# Altium PCB master.PcbDoc (part 7 of 10)
Units mm, origin at the board's own origin, x right, y up, seen from the top; angles counter-clockwise.
Board outline 160 x 120 mm, 6 copper layers (Top Signal, Top GND, Inner PWR, Inner Signal, Bottom GND, Bottom Signal), stack 1.601 mm thick; 526 components, 435 nets, 2167 pads, 1617 vias.
Unrouted connection lines stored in the file: 3.
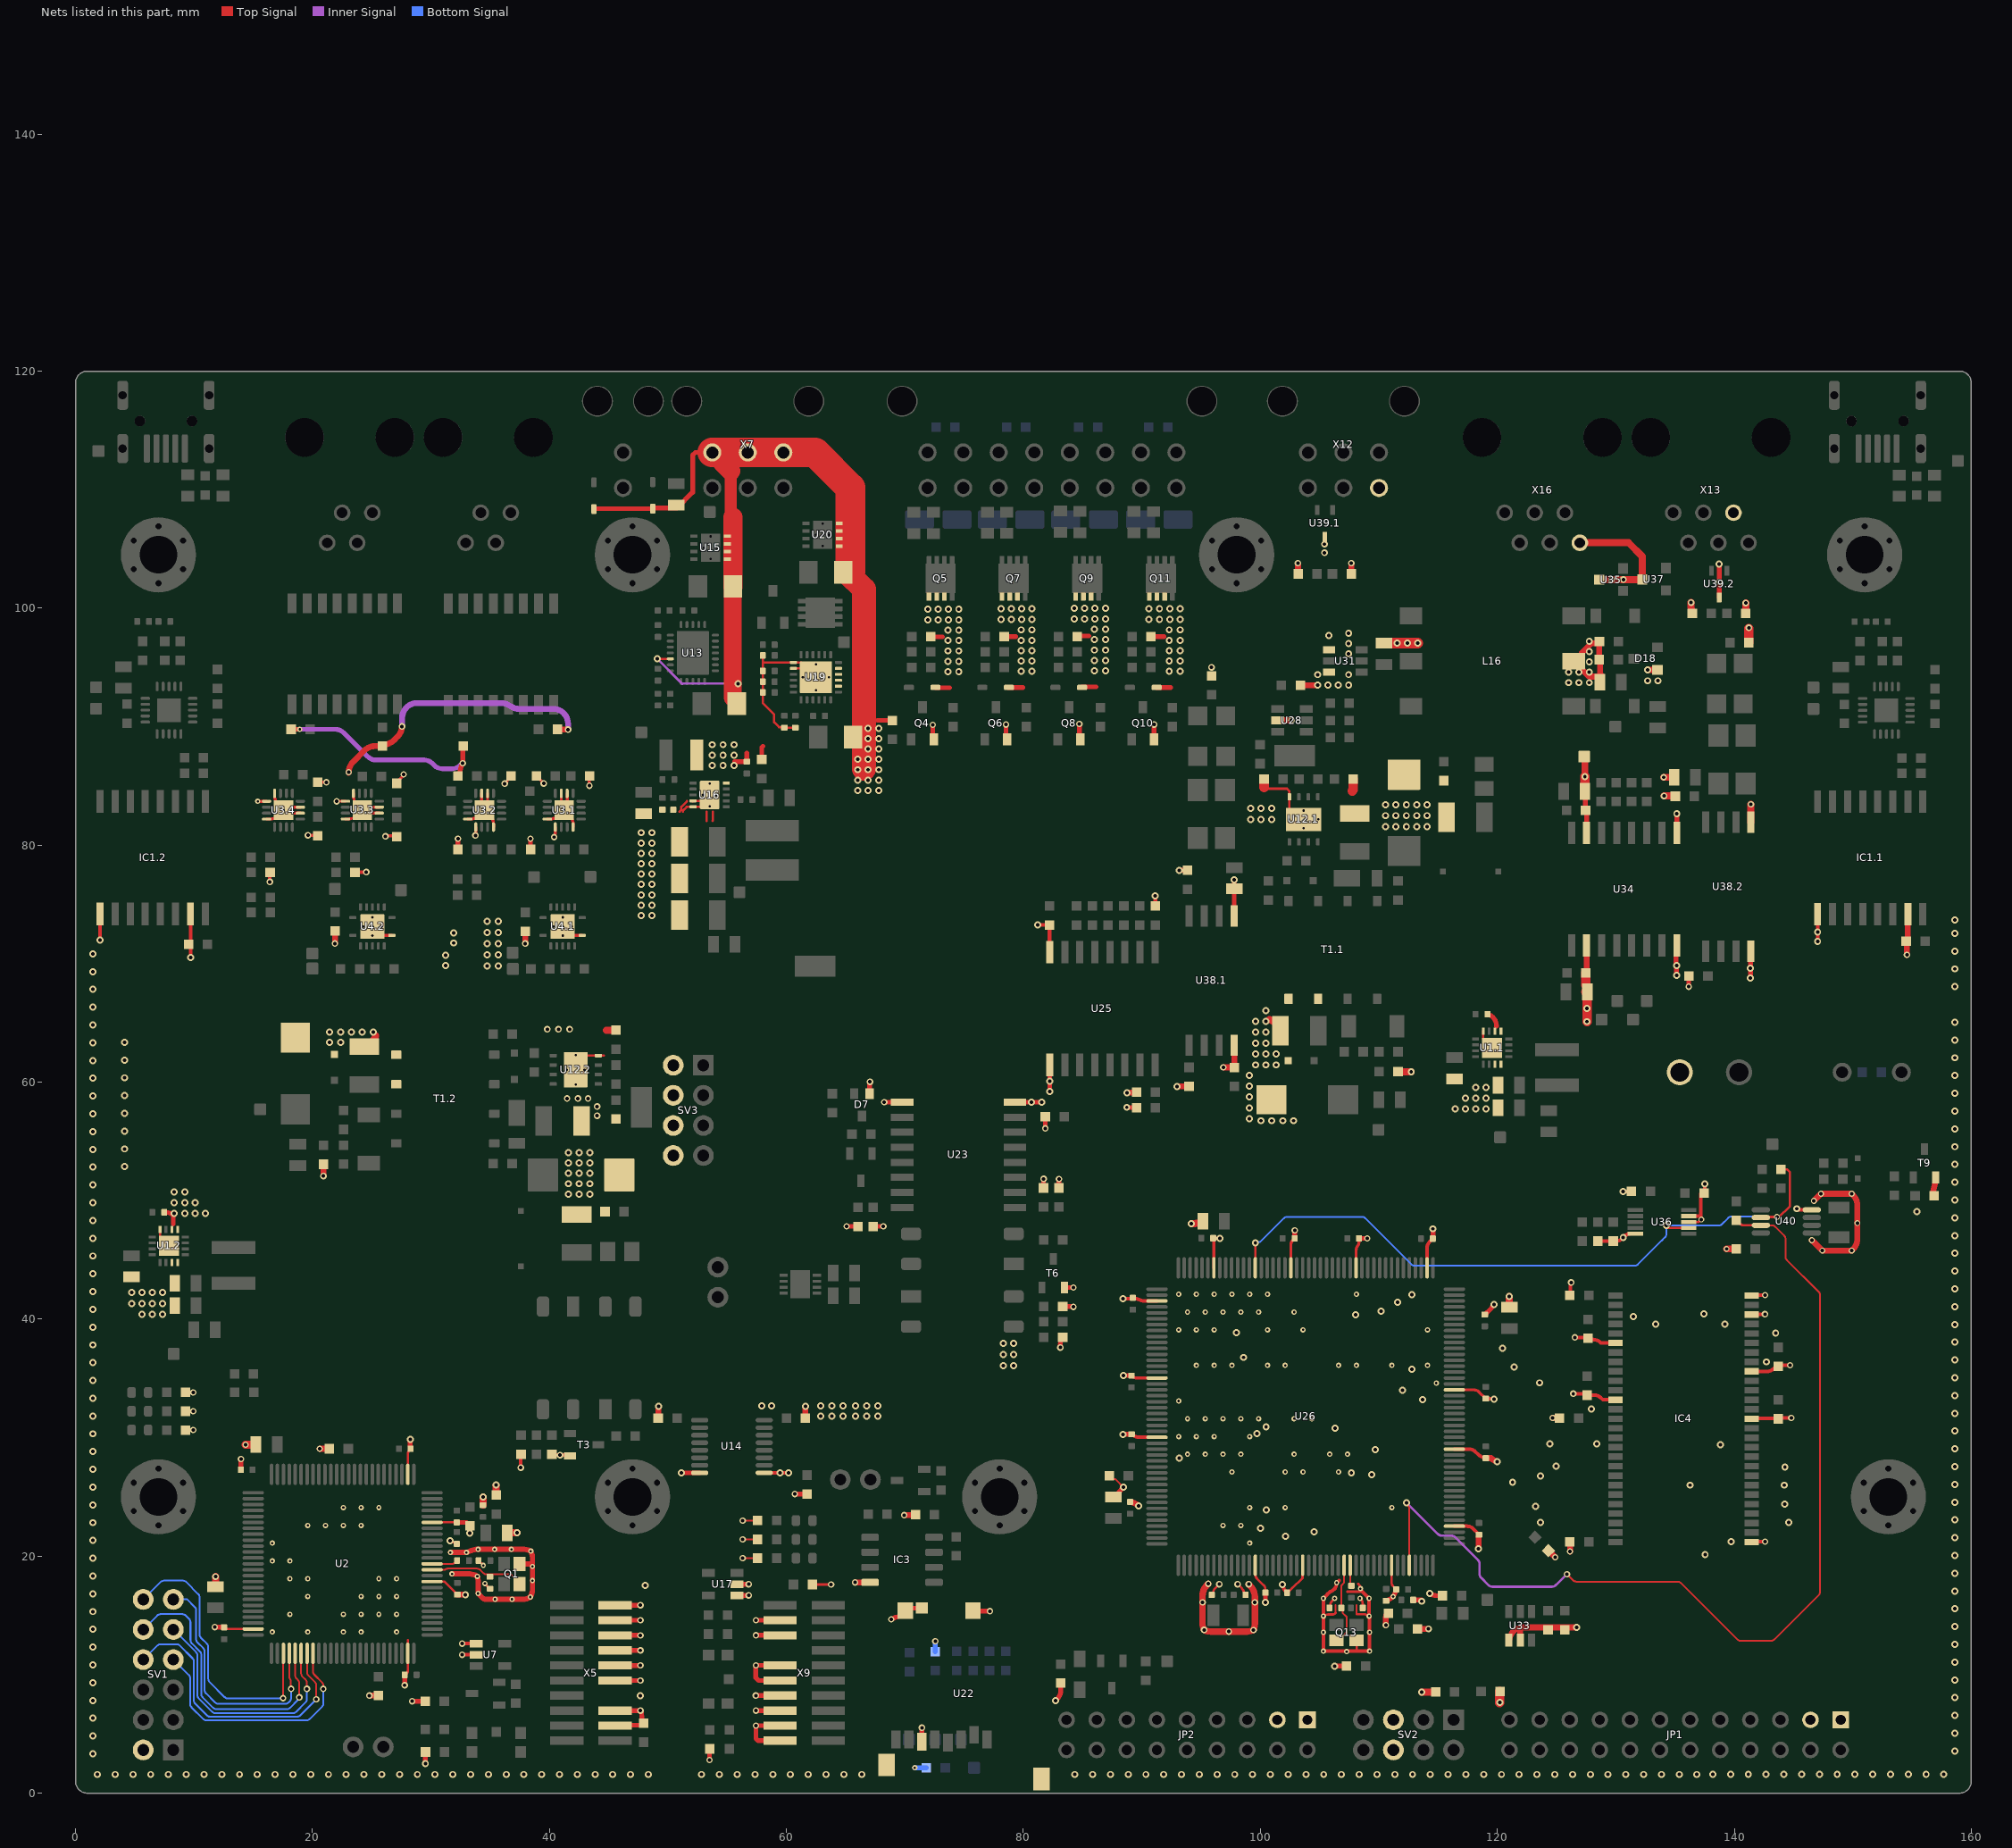
[diagram p11: the nets of this part, all layers, seen from the top]

## Via types
v1: diameter 0.6, hole 0.3, Top Signal to Bottom Signal, 1012 vias
v2: diameter 0.55, hole 0.3, Top Signal to Bottom Signal, 235 vias
v3: diameter 0.45, hole 0.2, Top Signal to Bottom Signal, 178 vias
v4: diameter 0.55, hole 0.3, Top Signal to Bottom Signal, tented both sides, 112 vias
v5: diameter 0.5, hole 0.2, Top Signal to Bottom Signal, 50 vias
v6: diameter 0.45, hole 0.2, Top Signal to Bottom Signal, tented top, 15 vias
v7: diameter 0.5, hole 0.3, Top Signal to Bottom Signal, tented both sides, 12 vias
v8: diameter 0.6, hole 0.3, Top Signal to Bottom Signal, tented both sides, 2 vias
v9: diameter 0.5, hole 0.3, Top Signal to Bottom Signal, 1 vias

## Nets (pads, with @x,y where several pads share a name; then routed paths per layer and width w, separated by ;. In a path a pad name is that pad's centre, name@x,y a point inside that pad or via, vN(x,y) a via of type N, cw(c..) or ccw(c..) an arc to the next point about the centre after c; other vN are vias at no path point) (continued)
GND: C47.1.2 C47.2.2 C49.1.1 C49.2.1 C50.1.1 C50.2.1 C52.1.2 C52.2.2 C53.1.2 C53.2.2 C54.1 C57.1 C58.1 C60.1 C61.1 C62.1 C63.1 C64.1 C65.1 C66.1 C67.1 C68.2 C72.1 C74.1 C75.2 C76.2 C81.2 C93.2 C107.1 C120.1 C158.1.2 C160.1.2 C162.1.2 C163.1.2 C165.1.1 D5.2 D6.2 D7.1 D8.2 D9.2 D10.2 D11.2 Q4.2 Q5.1 Q5.2 Q5.3 Q6.2 Q7.1 Q7.2 Q7.3 Q8.2 Q9.1 Q9.2 Q9.3 Q10.2 Q11.1 Q11.2 Q11.3 R45.1.1 R45.2.1 R52.1 R63.1 R64.1 R65.1 R67.1 R68.1 R75.1 R77.2 R82.2 R90.2 R98.2 SV3.2 SV3.4 SV3.6 SV3.8 U12.1.8 U12.1.9@103.65,82.172 U12.2.8 U12.2.9@42.214,61.044 U13.17 U15.5 U15.6 U15.7 U15.8 U16.5 U16.9 U16.10 U16.11@53.521,84.236 U19.7 U19.8 U19.20 U19.21 U19.22 U19.23 U19.25 U20.5 U20.6 U20.7 U20.8 U23.9 U25.8 U28.2 U31.4 U31.6 U38.1.5 U39.1.3 X7.1 X7.2 X7.3 X12.6 | length 153.1
  Top Signal w0.2: U12.2.9@42.214,61.044 42.214,61.326 43.132,62.244 U12.2.8@44.114,62.244 44.595,62.244 ; v1(49.083,95.717) U13.17@50.202,95.717 ; 50.978,82.836 51.126,82.984 51.126,83.222 51.615,83.711 ; 51.252,82.836 51.252,82.899 51.589,83.236 U16.10@52.121,83.236 52.125,83.24 52.796,83.24 53.521,83.965 U16.11@53.521,84.236 53.021,83.736 U16.9@52.121,83.736 U16.9@52.096,83.711 ; 53.269,82.811 53.269,82.056 53.275,82.05 ; 53.771,82.056 53.779,82.065 53.779,82.811 ; R65.1@58.007,96.012 58.007,95.443 ; U19.8@60.587,94.916 61.237,94.916 U19.25@62.169,93.984 ; R68.1@60.752,89.918 R67.1@59.829,89.918 59.789,89.957 59.371,89.957 58.963,90.365 58.963,91.029 58.007,91.984 R64.1@58.007,92.889 58.007,95.443 ; U19.25@62.169,93.848 U19.25@62.169,93.984 ; 100.309,84.878 100.426,84.76 102.243,84.76 102.45,84.553 U12.1.8@102.45,84.072 102.45,83.089 103.367,82.172 U12.1.9@103.65,82.172 ; 58.007,95.443 58.034,95.416 U19.7@60.587,95.416 60.998,95.416 61.006,95.409 61.237,95.409 62.169,94.477 U19.25@62.169,93.984
  Top Signal w0.305: v1(81.221,73.264) C81.2@82.204,73.264 ; C81.2@82.204,73.462 82.403,73.264 C81.2@82.204,73.264 ; U25.8@82.222,70.961 82.204,70.979 C81.2@82.204,73.264 ; v1@91.13,75.723 v1(91.123,75.716) 91.136,75.702 C93.2@91.136,74.864
  Top Signal w0.4: D5.2@43.754,108.359 43.754,108.367 43.779,108.392 D6.2@48.717,108.392 48.717,108.418 48.742,108.443 50.749,108.443 52.083,109.777 52.083,112.906 52.317,113.14 X7.1@53.737,113.14 ; 55.646,87.068 55.667,87.047 C66.1@56.657,87.047 56.657,87.784 ; C67.1@57.915,87.22 57.915,88.251 58.013,88.349 ; v2@65.125,47.825 65.128,47.828 C75.2@66.025,47.828 ; v2@67.016,59.944 67.025,59.935 D7.1@67.025,59.037 ; C76.2@67.325,47.828 v2@68.175,47.828 ; 67.675,90.525 R75.1@68.95,90.525 ; v2(68.25,58.315) 69.625,58.315 U23.9@69.7,58.39 ; R77.2@72.101,97.574 73.18,97.574 ; Q4.2@72.355,88.912 v2@72.355,90.096 ; D8.2@72.572,93.282 73.771,93.282 ; R82.2@78.273,97.6 R82.2@78.38,97.6 79.352,97.6 ; Q6.2@78.527,88.938 v2@78.527,90.122 ; D9.2@78.744,93.308 D9.2@78.781,93.308 79.943,93.308 ; R90.2@84.468,97.649 85.547,97.649 ; Q8.2@84.722,88.986 v2@84.722,90.171 ; D10.2@84.939,93.357 86.138,93.357 ; R98.2@90.771,97.6 91.85,97.6 ; Q10.2@91.025,88.938 v2@91.025,90.122 ; D11.2@91.242,93.308 92.441,93.308 ; v1(93.138,77.881) C165.1.1@93.836,77.881 ; U38.1.5@97.794,74.015 C158.1.2@97.794,76.307 v1(97.794,77.081)
  Top Signal w0.5: U28.2@101.459,90.53 v2(102.624,90.53) ; v2(103.165,103.79) 103.165,103.7 cw(c103.126,103.661) 103.181,103.661 C160.1.2@103.181,102.89 ; C107.1@103.375,93.475 103.401,93.501 104.819,93.501 v1(104.838,93.52) ; C163.1.2@107.675,102.89 v2(107.675,103.79)
  Top Signal w0.6: 44.803,64.385 R45.2.1@45.612,64.385
  Top Signal w0.8: 100.309,84.878 R45.1.1@100.309,85.569 ; 107.757,84.58 107.834,84.657 C53.1.2@107.834,85.569
  Top Signal w0.9: C120.1@110.438,97.035 v1(111.53,97.035) v1(112.402,97.035) v1(113.273,97.035)
  Top Signal w1: 55.302,111.575 55.302,107.846 55.477,107.671
  Top Signal w1.5: C64.1@55.477,101.758 55.477,92.456 55.808,92.126 C65.1@55.808,91.951
  Top Signal w1.6: X7.1@53.737,113.14 55.302,111.575 ; C64.1@55.477,101.758 C64.1@55.477,101.833 55.477,107.671
  Top Signal w2: C72.1@65.117,103.019 66.546,101.59 66.546,86.435
  Top Signal w2.5: X7.1@53.737,113.142 62.415,113.142 65.403,110.154 65.403,106.165 C72.1@65.403,103.155
  Inner Signal w0.2: v1(49.083,95.717) 51.198,93.602 51.233,93.637 v1(55.907,93.637)
  other v1: 41.586,50.558 42.504,50.558 43.423,50.558 41.586,51.431 42.504,51.431 43.423,51.431 41.586,52.304 42.504,52.304 43.423,52.304 41.586,53.178 42.504,53.178 43.423,53.178 41.586,54.051 42.504,54.051 43.423,54.051 47.729,74.065 48.648,74.065 47.729,74.939 48.648,74.939 47.729,75.812 48.648,75.812 47.729,76.685 48.648,76.685 47.729,77.559 48.648,77.559 47.729,78.432 48.648,78.432 47.729,79.305 48.648,79.305 47.729,80.179 48.648,80.179 47.729,81.052 48.648,81.052 110.57,81.567 111.443,81.567 112.316,81.567 113.19,81.567 114.063,81.567 99.193,82.172 100.066,82.172 100.939,82.172 110.57,82.485 111.443,82.485 112.316,82.485 113.19,82.485 114.063,82.485 99.193,83.091 100.066,83.091 100.939,83.091 110.57,83.404 111.443,83.404 112.316,83.404 113.19,83.404 114.063,83.404 66.005,84.619 66.878,84.619 67.797,84.619 66.005,85.492 66.878,85.492 67.797,85.492 66.005,86.366 66.878,86.366 67.797,86.366 53.737,86.729 54.656,86.729 55.574,86.729 66.005,87.239 66.878,87.239 67.797,87.239 53.737,87.602 54.656,87.602 55.574,87.602 66.878,88.113 67.797,88.113 53.737,88.476 54.656,88.476 55.574,88.476 66.878,88.986 67.797,88.986 66.878,89.859 67.797,89.859 105.71,93.52 106.581,93.52 107.453,93.52 104.838,94.392 107.453,94.392 73.635,94.643 74.553,94.643 79.807,94.669 80.725,94.669 92.305,94.669 93.223,94.669 86.002,94.718 86.92,94.718 73.635,95.517 74.553,95.517 79.807,95.543 80.725,95.543 92.305,95.543 93.223,95.543 86.002,95.591 86.92,95.591 107.453,96.135 73.635,96.39 74.553,96.39 79.807,96.416 80.725,96.416 92.305,96.416 93.223,96.416 86.002,96.465 86.92,96.465 107.453,97.006 73.635,97.264 74.553,97.264 79.807,97.29 80.725,97.29 92.305,97.29 93.223,97.29 86.002,97.338 86.92,97.338 105.781,97.707 107.453,97.878 73.635,98.137 74.553,98.137 79.807,98.163 80.725,98.163 92.305,98.163 93.223,98.163 86.002,98.212 86.92,98.212 71.933,99.01 72.807,99.01 73.68,99.01 74.553,99.01 78.105,99.036 78.978,99.036 79.852,99.036 80.725,99.036 90.603,99.036 91.477,99.036 92.35,99.036 93.223,99.036 84.3,99.085 85.173,99.085 86.047,99.085 86.92,99.085 71.933,99.929 72.807,99.929 73.68,99.929 74.553,99.929 78.105,99.955 78.978,99.955 79.852,99.955 80.725,99.955 90.603,99.955 91.477,99.955 92.35,99.955 93.223,99.955 84.3,100.003 85.173,100.003 86.047,100.003 86.92,100.003
  other v2: 65.075,47.828 68.175,47.825 44.025,57.164 44.025,57.95 41.479,58.62 42.4,58.62 43.25,58.62 67.046,60.025 39.818,64.464 40.759,64.464 41.7,64.464 72.355,90.149 78.527,90.175 91.025,90.175 84.722,90.224 95.879,94.997 105.416,104.675 105.416,105.397
  other v5: 42.214,59.794 41.474,61.044 42.954,61.044 42.214,62.294 103.65,81.432 102.4,82.172 104.9,82.172 103.65,82.912 53.521,83.286 52.946,84.236 54.096,84.236 53.521,85.186 62.487,93.066 61.387,94.166 62.487,94.166 63.587,94.166 62.487,95.266
GND_1: BT1.2 C3.1.2 C6.1.1 C8.1.2 C9.1.2 C12.1.2 C18.1.2 C19.2 C20.1.1 C20.2.1 C22.1.2 C23.1.1 C25.1.2 C28.1.1 C28.2.1 C36.2 C70.1 C71.2 C73.2 C78.1 C80.2 C83.2 C84.1 C85.2 C87.2 C88.2 C89.2 C90.2 C91.2 C92.1.1 C92.2.1 C96.2 C97.2 C99.1 C102.2 C105.2 C108.2 C109.2 C112.1 C115.2 C116.2 C117.2 C122.2 C123.2 C124.2 C125.2 C126.2 C127.2 C128.2 C130.2 C134.1 C135.2 C136.2 C137.2 C138.2 C141.2 C142.2 C143.2 C145.2 C146.2 C148.2 C149.2 C150.2 C151.2 C152.2 C153.1 C157.1 C159.2 C161.1.1 C161.2.1 C164.2 C166.2 C167.2 C181.2 D1.1.2 IC1.1.9 IC1.1.15 IC3.4 IC4.6 IC4.12 IC4.28 IC4.41 IC4.46 IC4.52 IC4.54 JP1.1 JP1.3 JP2.1 JP2.3 Q13.2 R11.1.1 R11.2.1 R56.1 R60.1 R61.1 R62.1 R84.1 R86.2 R88.1 R95.1 R115.1 R119.1 R134.1 R142.1 SV2.5 SV2.6 T1.1.5 T1.1.6 T6.S T9.S U1.1.5 U1.1.6 U1.1.8 U1.1.15 U1.1.16 U1.1.17 U3.1.6 U3.1.7 U3.1.12 U3.1.13 U3.1.16 U3.1.17 U3.2.6 U3.2.7 U3.2.12 U3.2.13 U3.2.16 U3.2.17 U4.1.7 U4.1.15@41.115,73.135 U14.9 U17.1 U17.2 U22.6 U22.6_1 U22.SH U23.8 U25.9 U26.14 U26.22 U26.37 U26.48 U26.61 U26.71 U26.90 U26.102 U26.113 U26.126 U26.135 U26.148 U26.158 U33.1 U33.2 U34.2 U34.8 U36.5 U36.8 U36.9 U38.1.4 U38.2.4 U40.4 X9.3 X9.5 X9.9 X9.11 X9.13 X9.15 X9.17 X9.19 | length 269.7
  Top Signal w0.15: 106.335,15.863 106.335,15.344 ccw(c106.71,15.344) 106.358,15.214 ; 108.124,15.097 108.124,15.863
  Top Signal w0.152: v4(56.309,19.829) R60.1@57.523,19.829 ; v4(56.309,21.417) R61.1@57.523,21.417 ; v4(56.309,23.004) R62.1@57.523,23.004 ; v1(81.539,58.315) cw(c81.502,57.937) 81.747,58.227 81.753,58.222 v1@81.754,58.221 ; R88.1@81.85,57.075 R88.1@82.174,57.399 ; v1@82.128,59.01 ccw(c81.844,59.262) v1(82.222,59.225) ; R95.1@87.26,26.79 87.565,26.485 87.773,26.485 v1@88.442,25.816
  Top Signal w0.2: C99.1@95.899,16.736 ccw(c95.52,17.062) 96,16.922 96.04,17.059 cw(c96.52,16.92) 96.167,17.274 v2(96.528,17.635) ; v2(98.079,17.635) 98.454,17.259 cw(c98.102,16.904) 98.457,17.257 cw(c98.105,16.902) 98.577,17.066 cw(c98.106,16.898) 98.578,17.063 98.605,16.987 98.644,16.894 ccw(c99.105,17.088) C102.2@98.747,16.739 ; U26.14@99.573,19.234 99.574,19.206 cw(c99.074,19.19) 99.574,19.19 99.574,18.456 ccw(c100.074,18.456) 99.721,18.103 100.276,17.548 cw(c99.923,17.194) 100.279,17.545 cw(c99.925,17.191) 100.425,17.191 C105.2@100.425,16.924 ; C109.2@102.131,17.029 102.264,16.896 102.673,17.305 cw(c103.027,16.952) 102.684,17.316 103.553,18.135 103.553,19.097 cw(c104.053,19.097) 103.567,19.215 U26.22@103.572,19.233 ; v3(105.308,14.94) ccw(c105.139,15.411) 105.354,14.96 105.507,15.033 cw(c105.725,14.583) 105.725,15.083 106.146,15.083 ccw(c106.018,15.421) 106.203,15.11 106.275,15.153 ccw(c106.019,15.583) 106.358,15.214 ; C112.1@105.839,15.634 ccw(c105.401,15.875) 105.901,15.859 105.901,15.875 cw(c106.401,15.859) 106.047,16.213 v3(106.272,16.437) ; 107.351,17.006 108.437,17.006 ; Q13.2@108.124,12.893 108.124,12.122 ccw(c108.624,12.122) 108.144,11.985 ; 108.124,15.097 108.748,15.097 cw(c108.748,14.597) 108.981,15.039 109.115,14.969 ccw(c109.348,15.411) v3(109.179,14.94) ; 108.253,17.672 108.287,17.639 cw(c107.934,17.284) 108.289,17.636 cw(c107.937,17.282) 108.437,17.282 v3(108.437,17.257) 108.437,17.006 ; v3(108.403,16.437) ccw(c108.803,16.737) 108.45,16.384 108.489,16.345 cw(c108.138,15.988) 108.638,15.988 C117.2@108.638,15.634 ; 108.611,17.006 108.437,17.006 ; U26.37@111.073,19.234 111.073,17.798 ccw(c111.573,17.798) 111.231,17.434 111.367,17.306 cw(c111.025,16.941) C125.2@111.455,17.196 ; C127.2@114.379,46.621 ccw(c114.124,47.051) C127.2@114.554,46.796 ; U1.1.8@118.807,64.295 118.807,63.645 U1.1.17@119.557,62.895 ; U36.8@136.163,48.186 136.795,48.186 ccw(c136.795,48.686) v7(137.215,48.415)
  Top Signal w0.203: C71.2@62.239,17.607 v4(63.77,17.607)
  Top Signal w0.24: v5(41.115,73.135) 41.865,72.385 U4.1.7@42.765,72.385
  Top Signal w0.25: U3.2.12@33.1,82.2 33.352,82.2 ccw(c33.352,82.825) 33.595,82.249 33.62,82.252 ccw(c33.565,82.874) 34.007,82.432 v5(34.525,82.95) ; v2(33.747,80.822) 33.748,80.824 ccw(c33.15,81.007) 33.775,81.007 U3.2.13@33.775,81.525 ; U3.2.7@34.275,84.375 34.275,83.459 ccw(c34.9,83.459) 34.458,83.017 v5(34.525,82.95) ; U3.2.6@34.775,84.375 34.775,83.459 cw(c34.15,83.459) 34.591,83.016 v5(34.525,82.95) ; U3.2.16@35.275,81.525 35.275,81.829 ccw(c34.65,81.832) 35.252,82 ccw(c34.649,81.836) 35.25,82.008 35.208,82.154 ccw(c34.607,81.984) 35.048,82.427 ccw(c34.604,81.987) 35.045,82.43 34.975,82.5 ccw(c34.532,82.059) 34.973,82.502 v5(34.525,82.95) ; v2(36.225,85.194) ccw(c35.865,85.704) 36.421,85.419 36.555,85.681 cw(c37.111,85.395) 36.669,85.837 C20.2.1@36.682,85.85 ; C28.1.1@38.9,85.85 38.923,85.819 ccw(c39.413,86.207) 38.971,85.765 39.429,85.307 cw(c38.987,84.865) 39.51,85.207 v2(39.512,85.204) ; U3.1.12@39.818,82.2 40.07,82.2 ccw(c40.07,82.825) 40.313,82.249 40.338,82.252 ccw(c40.283,82.874) 40.725,82.432 v5(41.243,82.95) ; v2(40.4,80.675) 40.402,80.678 ccw(c39.868,81.003) 40.493,81.003 U3.1.13@40.493,81.525 ; U3.1.7@40.993,84.375 40.993,83.459 ccw(c41.618,83.459) 41.176,83.017 v5(41.243,82.95) ; U3.1.6@41.493,84.375 41.493,83.459 cw(c40.868,83.459) 41.31,83.016 v5(41.243,82.95) ; U3.1.16@41.993,81.525 41.993,81.829 ccw(c41.368,81.832) 41.97,82 ccw(c41.367,81.836) 41.968,82.008 41.926,82.154 ccw(c41.325,81.984) 41.766,82.427 ccw(c41.322,81.987) 41.763,82.43 41.693,82.5 ccw(c41.25,82.059) 41.691,82.502 v5(41.243,82.95) ; v2(43.366,85.017) cw(c43.985,85.097) 43.36,85.097 43.36,85.631 cw(c43.985,85.631) 43.391,85.825 C20.1.1@43.399,85.849 ; C88.2@89.086,35.239 89.109,35.216 ccw(c89.551,35.659) 89.551,35.034 U26.148@91.273,35.034 ; U26.113@102.573,44.334 102.573,46.243 cw(c103.198,46.243) 102.756,46.686 C108.2@102.887,46.817 ; U26.102@108.072,44.334 108.072,45.786 108.073,45.794 cw(c108.697,45.778) 108.161,46.099 108.241,46.232 ccw(c107.704,46.553) 108.329,46.553 C116.2@108.329,46.817 ; U26.71@116.372,34.034 118.027,34.034 cw(c118.027,33.409) 118.47,33.85 C138.2@119.024,33.296
  Top Signal w0.3: U14.9@58.115,27.033 59.401,27.033 cw(c59.401,26.283) 59.42,27.033 59.457,27.032 v1(59.458,27.031) v1@60.202,27.031 ; v1(88.404,41.715) cw(c88.561,40.981) 88.561,41.731 89.238,41.731 89.393,41.731 cw(c89.393,40.981) 89.643,41.688 89.96,41.577 ccw(c90.21,42.284) 90.208,41.534 U26.135@91.273,41.534 ; C89.2@89.138,30.291 cw(c88.734,29.658) 89.198,30.248 cw(c88.738,29.655) 89.201,30.245 89.268,30.193 ccw(c89.73,30.784) 89.73,30.034 U26.158@91.273,30.034 ; C97.2@95.975,46.802 v1(96.57,46.802) ; U26.126@96.073,44.334 C97.2@96.073,46.773 ; v1(101.843,17.602) 101.854,17.579 cw(c101.175,17.26) 101.874,17.534 cw(c101.177,17.255) 101.876,17.528 101.977,17.271 ccw(c102.675,17.545) C109.2@102.131,17.029 ; 106.63,17.956 v3(106.436,17.762) 106.436,17.733 cw(c105.686,17.731) 106.01,17.055 105.908,17.006 ccw(c106.272,16.437) 105.813,16.932 105.676,16.805 ccw(c106.187,16.256) 105.656,16.786 v3(105.308,16.437) v3(105.308,14.94) v3(105.308,11.985) 108.144,11.985 v3(109.216,11.985) v3(109.216,13.577) 109.216,14.669 ccw(c108.466,14.669) 109.204,14.8 v3(109.179,14.94) v3(109.179,16.437) 108.611,17.006 ; U26.90@114.073,44.334 114.073,46.004 cw(c114.823,46.004) 114.292,46.534 C127.2@114.379,46.621 ; U26.48@116.372,22.534 117.43,22.534 cw(c117.43,21.784) 117.961,22.314 C135.2@118.388,21.886 ; U26.61@116.372,29.034 117.625,29.034 cw(c117.625,28.284) 118.156,28.814 118.388,28.581 ccw(c118.919,29.111) 118.547,28.46 118.852,28.286 cw(c118.481,27.634) 118.859,28.282 118.878,28.271 118.879,28.27 119.487,28.27 ; C138.2@119.024,33.296 119.453,33.296 cw(c119.453,32.546) v1(119.706,33.252) ; C150.2@126.176,42.015 126.176,42.836 cw(c126.926,42.836) 126.215,43.076 v4(126.224,43.1) ; v4(126.409,33.713) 126.437,33.685 127.548,33.685 127.629,33.595 128.189,33.595 cw(c128.189,32.845) 128.72,33.375 128.899,33.196 IC4.12@129.966,33.196 ; v4(126.549,38.459) C152.2@127.66,38.459 ; C152.2@127.742,38.449 ccw(c128.244,39.007) 128.172,38.26 128.239,38.254 cw(c128.168,37.507) 128.245,38.253 cw(c128.172,37.507) 128.703,38.036 cw(c128.175,37.504) 128.706,38.033 128.744,37.996 IC4.6@129.966,37.996 ; C153.1@128.486,46.59 130.007,46.59 ccw(c130.007,47.34) 130.537,46.81 v1(130.63,46.903) 130.722,46.995 cw(c131.253,46.465) 131.253,47.215 U36.5@131.425,47.215 ; v1(130.605,50.783) cw(c130.704,50.039) 130.705,50.789 C157.1@131.322,50.789 ; U36.9@136.147,48.702 137.184,48.702 C159.2@137.184,50.59 ; C159.2@137.508,50.995 v1(137.508,51.405) ; IC4.41@141.466,31.596 cw(c141.691,30.88) 141.538,31.614 141.613,31.63 143.677,31.63 cw(c143.901,30.914) 143.901,31.664 v4(144.805,31.664) ; IC4.46@141.466,35.596 142.813,35.596 142.847,35.599 ccw(c142.779,36.346) 143.309,35.815 143.46,35.966 cw(c143.99,35.436) 143.609,36.082 143.648,36.104 143.649,36.103 144.602,36.103 ccw(c144.602,36.853) 144.674,36.107 v4@144.703,36.11 ; IC4.52@141.509,40.421 v4(142.578,40.421) ; IC4.28@141.518,21.213 142.435,21.213 ccw(c142.435,21.963) 142.567,21.224 v4(142.595,21.23) ; IC4.54@141.518,42.013 142.435,42.013 ccw(c142.435,42.763) 142.567,42.024 v4(142.595,42.03) ; v1@145.46,49.234 U40.4@146.565,49.234 ; v1(147.025,71.875) IC1.1.9@147.025,74.177
  Top Signal w0.4: C19.2@18.2,89.775 v3(18.925,89.775) ; R11.2.1@32.275,79.643 v2(32.275,80.542) ; C28.2.1@32.275,85.85 ccw(c31.475,86.45) 32.459,86.271 32.491,86.448 cw(c33.475,86.268) 32.576,86.707 v2(32.675,86.908) 32.675,88.045 cw(c33.675,88.045) 32.716,88.327 C36.2@32.725,88.357 ; R11.1.1@38.4,79.643 v2(38.4,80.542) ; v4(53.5,2.8) R56.1@53.5,3.781 ; U17.1@55.828,16.689 v2(56.807,16.689) ; U17.2@55.828,17.639 v2(56.807,17.639) ; v4(57.417,8.241) X9.13@59.462,8.241 ; v4(57.42,10.781) 57.418,10.742 ccw(c58.417,10.703) 57.417,10.703 57.417,9.745 57.651,9.511 X9.11@59.465,9.511 ; v4(57.42,6.971) X9.15@59.465,6.971 ; v4(57.42,10.781) X9.9@59.465,10.781 ; v4(57.42,13.321) X9.5@59.465,13.321 ; v4(57.42,14.591) X9.3@59.465,14.591 ; X9.19@59.465,4.431 57.609,4.431 57.42,4.619 v4(57.42,5.701) X9.17@59.465,5.701 ; v2@60.75,25.25 61.603,25.25 cw(c61.603,24.25) 61.703,25.245 C73.2@61.747,25.24 C73.2@61.747,25.24 ; v2(68.845,14.662) 69.049,14.772 cw(c69.521,13.891) 69.186,14.833 69.511,14.949 ccw(c69.175,15.891) U22.SH@70.041,15.391 cw(c70.673,14.616) 70.674,15.616 U22.6_1@71.431,15.616 ; U22.6@71.431,4.331 v2@71.431,5.475 ; U22.SH@75.741,15.391 ccw(c76.004,16.355) 76.004,15.355 v2(77.175,15.355) ; U23.8@79.303,58.315 v1(81.539,58.315) ; C80.2@81.7,51.075 v2@81.7,51.782 ; v2(81.85,56.1) R88.1@81.85,57.075 ; v1(82.222,59.225) v1(82.222,60.078) U25.9@82.222,61.461 ; v1(82.73,7.822) 82.862,7.955 ccw(c82.155,8.662) 83.155,8.662 C84.1@83.155,9.286 ; C83.2@83,51.067 v2@83,51.773 ; v2@83.1,37.684 83.1,37.686 ccw(c82.113,37.847) 83.113,37.849 83.113,37.875 cw(c84.113,37.875) 83.302,38.46 R84.1@83.313,38.474 ; R86.2@83.313,41.075 v2@84.224,41.075 ; T6.S@83.463,42.675 84.074,42.675 cw(c84.074,41.675) 84.129,42.674 84.174,42.671 v2@84.175,42.67 ; C85.2@87.605,24.979 ccw(c87.193,25.891) 87.967,25.258 88.314,25.682 cw(c89.088,25.049) 88.383,25.758 ccw(c87.678,26.466) v1(88.442,25.821) ; v1(88.404,30.284) cw(c88.522,29.291) 88.522,30.291 C89.2@89.138,30.291 ; v1(88.442,35.239) C88.2@89.086,35.239 ; v2@88.745,57.85 C91.2@89.55,57.85 ; v1@100.425,16.121 C105.2@100.425,16.924 ; C108.2@102.887,46.817 102.888,46.819 ccw(c101.892,46.916) 102.892,46.919 102.892,47.4 cw(c103.892,47.4) 102.894,47.461 v4@102.897,47.499 ; v1(106.273,10.729) ccw(c106.33,11.728) 106.33,10.728 C115.2@107.272,10.728 ; C116.2@108.329,46.817 v4(109.017,46.817) ; C123.2@110.637,16.236 110.89,16.358 ccw(c110.455,17.258) 111.162,16.551 v3(111.208,16.597) ccw(c110.415,17.206) 111.366,16.898 C125.2@111.463,17.196 ; C126.2@112.895,16.307 v1@113.589,16.307 ; v1(114.299,16.857) ccw(c114.892,17.662) 114.892,16.662 C130.2@115.38,16.662 ; C127.2@114.554,46.796 C127.2@114.554,46.796 ccw(c113.575,46.998) C127.2@114.575,47.001 ; C127.2@114.575,47.001 v1(114.575,47.625) ; C136.2@118.941,40.393 119.076,40.508 ccw(c118.428,41.27) 119.137,40.564 119.454,40.881 ccw(c118.748,41.589) 119.599,41.065 v1(119.709,41.244) ; C6.1.1@119.163,65.733 cw(c118.927,64.761) 119.927,64.761 119.927,64.743 ; C148.2@127.472,69.228 C148.2@127.531,69.288 ; v1@135.075,69.85 135.075,71.457 U34.8@135.151,71.533 ; v1(135.125,69.02) 135.075,69.02 ccw(c134.125,69.332) 135.125,69.334 v1(135.125,69.85) ; v2(136.15,68.053) 136.15,68.724 cw(c137.15,68.724) 136.168,68.912 C161.2.1@136.175,68.946 ; v1(141.362,68.773) 141.362,70.739 cw(c142.362,70.739) 141.397,71.001 U38.2.4@141.407,71.033